# Altium PCB Board_Design.PcbDoc (part 1 of 3) (continued)
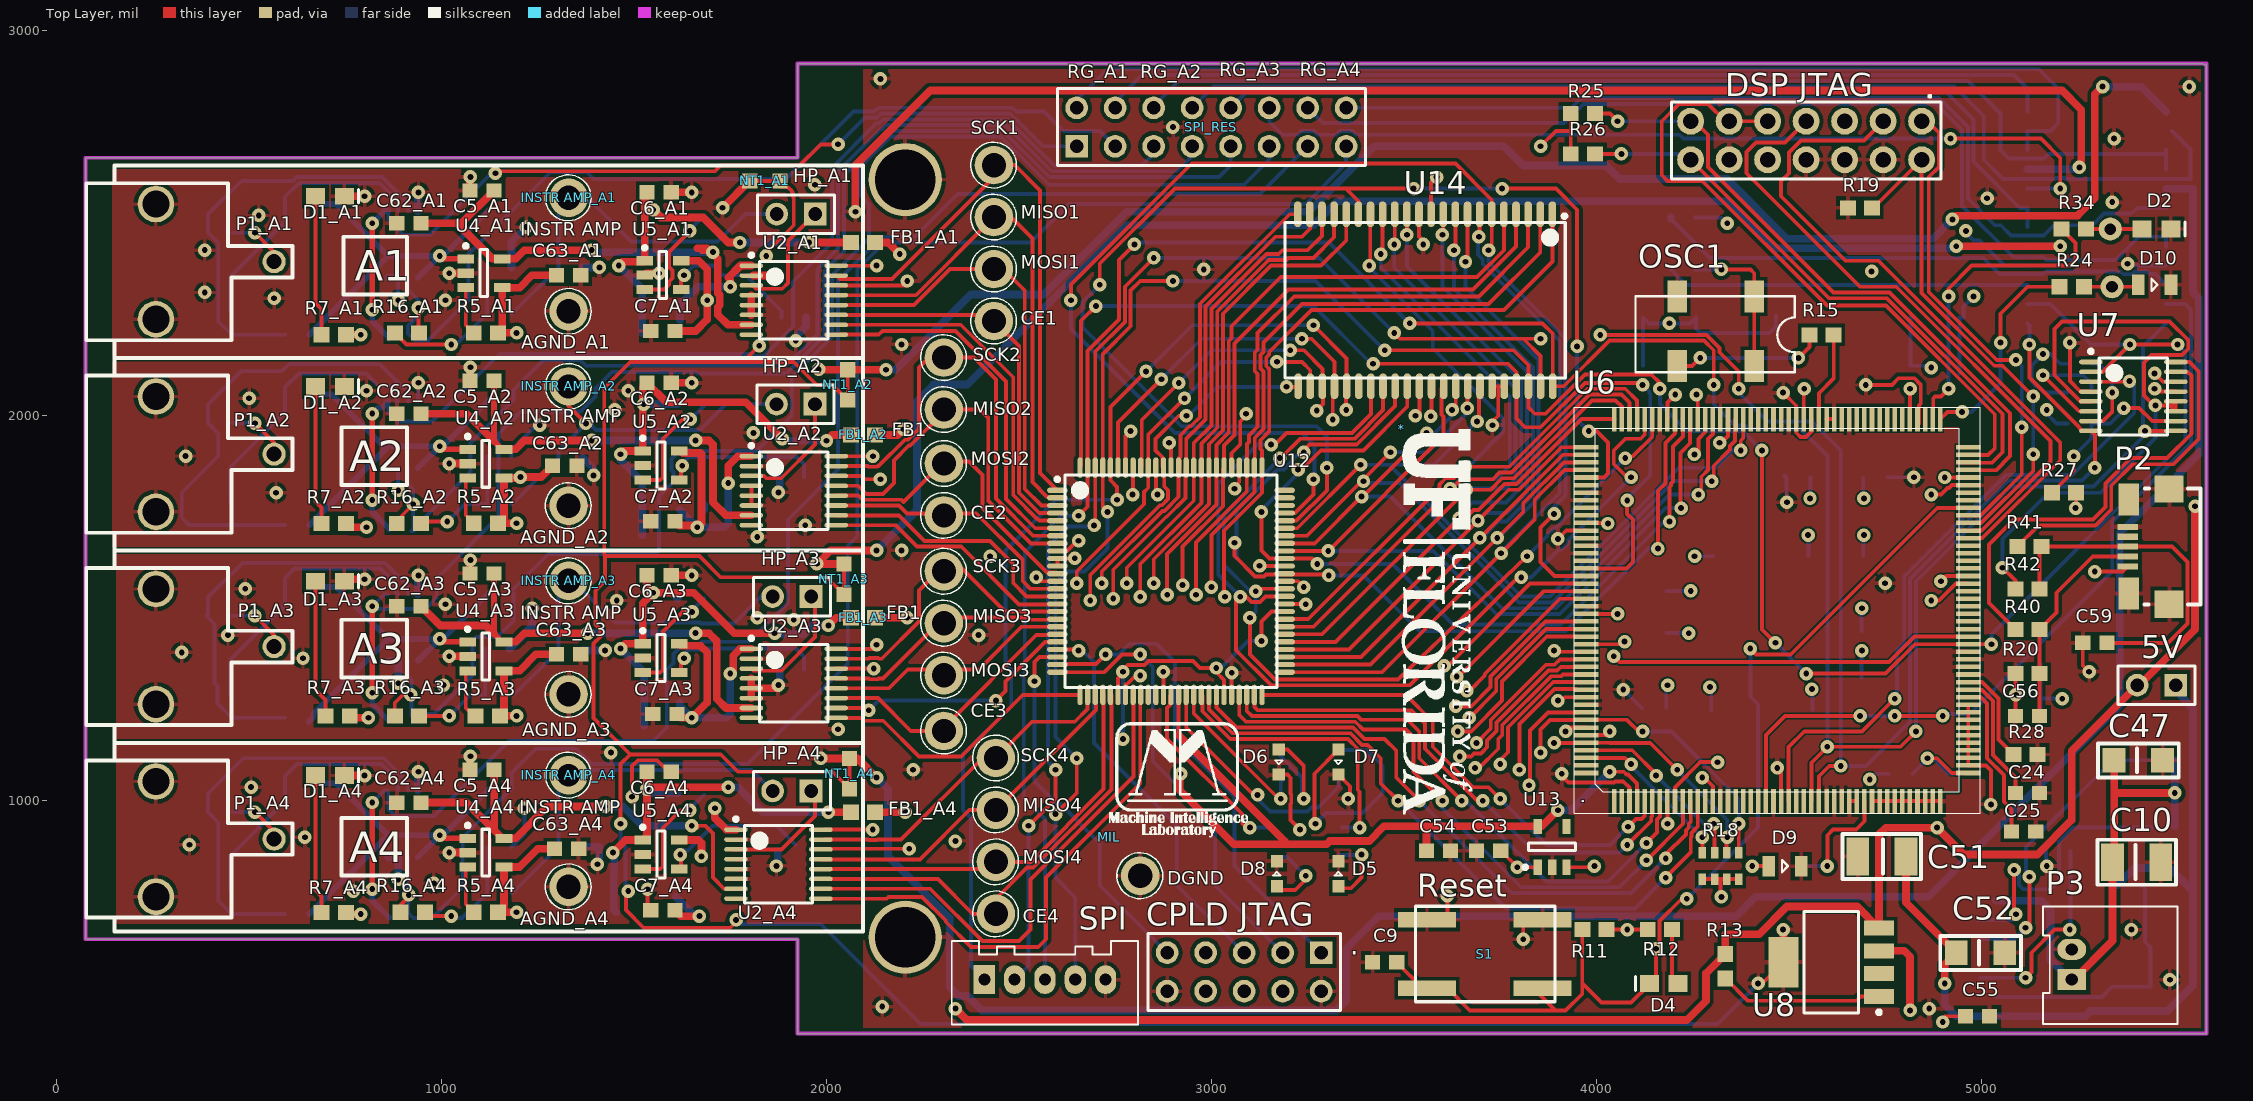
[diagram p0: Top Layer view]
## Components (designator, comment, footprint, x,y, rotation, side; value= is the part's Value field where it differs from the comment) (continued)
C62_A1 "Cap" CAPC0603 915,2500 r180 top (schematic designator C62)
C62_A2 "Cap" CAPC0603 915,2005 r180 top (schematic designator C62)
C62_A3 "Cap" CAPC0603 915,1505 r180 top (schematic designator C62)
C62_A4 "Cap" CAPC0603 915,995 r180 top (schematic designator C62)
C63_A1 "Cap" CAPC0603 1330,2365 r0 top (schematic designator C63)
C63_A2 "Cap" CAPC0603 1320,1870 r0 top (schematic designator C63)
C63_A3 "Cap" CAPC0603 1330,1380 r0 top (schematic designator C63)
C63_A4 "Cap" CAPC0603 1325,875 r0 top (schematic designator C63)
CE1 "Test_Point" TP#1 2435,2245 r90 top
CE2 "Test_Point" TP#1 2305,1740 r90 top
CE3 "Test_Point" TP#1 2305,1180 r90 top
CE4 "Test_Point" TP#1 2440,705 r90 top
"CPLD JTAG" "Header 5X2" HDR2X5 3285,605 r180 top
D1_A1 "LED-RED" LED0805-RED 710,2570.21 r180 top (schematic designator D1)
D1_A2 "LED-RED" LED0805-RED 710,2075.73 r180 top (schematic designator D1)
D1_A3 "LED-RED" LED0805-RED 710,1570.21 r180 top (schematic designator D1)
D1_A4 "LED-RED" LED0805-RED 710,1065.21 r180 top (schematic designator D1)
D2 "LED-RED" LED0805-RED 5455,2485 r180 top
D4 "LED-RED" LED0805-RED 4175,525.21 r0 top
D5 "LED" LED0603 3330,810 r90 top
D6 "LED" LED0603 3175,1100 r270 top
D7 "LED" LED0603 3330,1100 r270 top
D8 "LED" LED0603 3170,810 r90 top
D9 "LED" LED0805 4490,830 r0 top
D10 "LED" LED0805 5450,2340 r0 top
DGND "Test_Point" TP#1 2815,804.02 r90 top (schematic designator CE4)
DNP_A1 "Res" RES0603 895,2200.21 r0 bottom (schematic designator DNP)
DNP_A2 "Res" RES0603 895,1705.73 r0 bottom (schematic designator DNP)
DNP_A3 "Res" RES0603 890,1220.21 r0 bottom (schematic designator DNP)
DNP_A4 "Res" RES0603 895,695.21 r0 bottom (schematic designator DNP)
"DSP JTAG" "JTAG HEADER" "JTAG HEADER - 14" 4845,2765 r180 top
FB1_A1 "FBead" RES0603 2095,2450 r180 top (schematic designator FB1)
FB1_A2 "FBead" RES0603 2095,1950 r180 top (schematic designator FB1)
FB1_A3 "FBead" RES0603 2095,1475 r180 top (schematic designator FB1)
FB1_A4 "FBead" RES0603 2095,970 r180 top (schematic designator FB1)
HP_A1 "Header 2" HDR1X2 1970.73,2523.9 r180 top (schematic designator HP)
HP_A2 "Header 2" HDR1X2 1970,2030.21 r180 top (schematic designator HP)
HP_A3 "Header 2" HDR1X2 1960,1530.21 r180 top (schematic designator HP)
HP_A4 "Header 2" HDR1X2 1960,1025.21 r180 top (schematic designator HP)
"INSTR AMP_A1" "Test_Point" TP#1 1330,2565.21 r90 top (schematic designator "INSTR AMP")
"INSTR AMP_A2" "Test_Point" TP#1 1330,2075.21 r90 top (schematic designator "INSTR AMP")
"INSTR AMP_A3" "Test_Point" TP#1 1330,1570.21 r90 top (schematic designator "INSTR AMP")
"INSTR AMP_A4" "Test_Point" TP#2 1330,1065.21 r90 top (schematic designator "INSTR AMP")
MIL "MIL LOGO" "MIL LOGO - 500" 2735,905 r0 top
MISO1 "Test_Point" TP#1 2435,2515 r90 top
MISO2 "Test_Point" TP#1 2305,2015 r90 top
MISO3 "Test_Point" TP#1 2305,1460 r90 top
MISO4 "Test_Point" TP#1 2440,975 r90 top
MOSI1 "Test_Point" TP#1 2435,2380 r90 top
MOSI2 "Test_Point" TP#1 2305,1875 r90 top
MOSI3 "Test_Point" TP#1 2305,1325 r90 top
MOSI4 "Test_Point" TP#1 2440,840 r90 top
NT1_A1 "NetTie" NT_5MIL 1840,2610 r0 top net-tie (schematic designator NT1)
NT1_A2 "NetTie" NT_5MIL 2055,2080.21 r270 top net-tie (schematic designator NT1)
NT1_A3 "NetTie" NT_5MIL 2045,1575.21 r270 top net-tie (schematic designator NT1)
NT1_A4 "NetTie" NT_5MIL 2060,1070.21 r270 top net-tie (schematic designator NT1)
OSC1 "Epson Oscillator" Oscillator 4410,2310 r180 top
P1_A1 "BNC" "BNC CONNECTOR" 565,2400.21 r0 top (schematic designator P1)
P1_A2 "BNC" "BNC CONNECTOR" 565,1900.21 r0 top (schematic designator P1)
P1_A3 "BNC" "BNC CONNECTOR" 565,1400.21 r0 top (schematic designator P1)
P1_A4 "BNC" "BNC CONNECTOR" 565,900.21 r0 top (schematic designator P1)
P2 "USB Micro" 10118192-0001LF 5360,1660 r90 top
P3 "2-pin Horz Sherlock" MOLEX-HDR-1X2-SHERLOCK-HORZ 5235,535 r270 top
R1_A1 "Res" RES0603 625,2550.21 r180 bottom (schematic designator R1)
R1_A2 "Res" RES0603 625,2055.73 r180 bottom (schematic designator R1)
R1_A3 "Res" RES0603 625,1545.21 r180 bottom (schematic designator R1)
R1_A4 "Res" RES0603 625,1045.21 r180 bottom (schematic designator R1)
R2_A1 "Res" RES0603 625,2210.21 r0 bottom (schematic designator R2)
R2_A2 "Res" RES0603 625,1715.73 r0 bottom (schematic designator R2)
R2_A3 "Res" RES0603 630,1215.21 r0 bottom (schematic designator R2)
R2_A4 "Res" RES0603 625,705.21 r0 bottom (schematic designator R2)
R3_A1 "Res" RES0603 1335,2385.21 r180 bottom (schematic designator R3)
R3_A2 "Res" RES0603 1335,1890.73 r180 bottom (schematic designator R3)
R3_A3 "Res" RES0603 1335,1390.21 r180 bottom (schematic designator R3)
R3_A4 "Res" RES0603 1335,880.21 r180 bottom (schematic designator R3)
R4_A1 "Res" RES0603 1155,2535.21 r0 bottom (schematic designator R4)
R4_A2 "Res" RES0603 1155,2040.73 r0 bottom (schematic designator R4)
R4_A3 "Res" RES0603 1145,1540 r0 bottom (schematic designator R4)
R4_A4 "Res" RES0603 1150,1030 r0 bottom (schematic designator R4)
R5_A1 "Res" RES0603 1115,2215.21 r0 top (schematic designator R5)
R5_A2 "Res" RES0603 1115,1720.73 r0 top (schematic designator R5)
R5_A3 "Res" RES0603 1120,1220.21 r0 top (schematic designator R5)
R5_A4 "Res" RES0603 1115,710.21 r0 top (schematic designator R5)
R6 "Res" RES0603 4225,2380 r0 bottom
R7_A1 "Res" RES0603 720,2210.21 r180 top (schematic designator R7)
R7_A2 "Res" RES0603 720,1720.21 r180 top (schematic designator R7)
R7_A3 "Res" RES0603 730,1220.21 r180 top (schematic designator R7)
R7_A4 "Res" RES0603 720,709.7 r180 top (schematic designator R7)
R8_A1 "Res" RES0603 1650,2525 r180 bottom (schematic designator R8)
R8_A2 "Res" RES0603 1645,2030.21 r180 bottom (schematic designator R8)
R8_A3 "Res" RES0603 1645,1525.21 r180 bottom (schematic designator R8)
R8_A4 "Res" RES0603 1645,1019.7 r180 bottom (schematic designator R8)
R9 "Res" RES0603 4225,2515 r180 bottom
R10 "Res" RES0603 5470.98,1105 r180 bottom
R11 "Res" RES0603 3995,665.21 r180 top
R12 "Res" RES0603 4165,665.21 r0 top
R13 "Res" RES0603 4335,570 r270 top
R14 "Res" RES0603 4490,830 r180 bottom
R15 "Res" RES0603 4585,2210 r0 top
R16_A1 "Res" RES0603 910,2215 r0 top (schematic designator R16)
R16_A2 "Res" RES0603 915,1720 r180 top (schematic designator R16)
R16_A3 "Res" RES0603 910,1220 r180 top (schematic designator R16)
R16_A4 "Res" RES0603 925,710 r180 top (schematic designator R16)
R17 "Res" RES0603 5475,930 r180 bottom
R18 "Res Pack 4" SO-8 4370,865 r180 top
R19 "Res" RES0603 4685,2540 r0 top
R20 "Res" RES0603 5120,1330 r180 top
R21 "Res" RES0603 5310,1105 r180 bottom
R22 "Res" RES0603 5340,485 r90 bottom
R23 "Res" RES0603 5470,620 r0 bottom
R24 "Res" RES0603 5235,2335 r180 top
R25 "Res" RES0603 3965,2785 r0 top
R26 "Res" RES0603 3965,2680 r0 top
R27 "Res" RES0603 5215,1800 r180 top
R28 "Res" RES0603 5115,1120 r0 top
R34 "Res" RES0603 5240,2485 r180 top
R35 "Res" RES0603 3330,890 r270 bottom
R36 "Res" RES0603 3175,1095 r90 bottom
R37 "Res" RES0603 3330,1100 r90 bottom
R38 "Res" RES0603 3170,885 r90 bottom
R40 "Res" RES0603 5120,1445 r0 top
R41 "Res" RES0603 5125,1660 r0 top
R42 "Res" RES0603 5120,1550 r0 top
R43 "Res" RES0603 5255,1980 r0 bottom
R44 "Res" RES0603 5255,2135 r0 bottom
R45 "Res" RES0603 5255,2060 r0 bottom
S1 "PBSW" PBSW 3810,690.21 r180 top
SCK1 "Test_Point" TP#1 2435,2650 r90 top
SCK2 "Test_Point" TP#1 2305,2150 r90 top
SCK3 "Test_Point" TP#1 2305,1595 r90 top
SCK4 "Test_Point" TP#1 2440,1110 r90 top
SPI "MOLEX-HDR-1x5-SHERLOCK_VERT" MOLEX-HDR-1X5-SHERLOCK-VERT 2410,535 r180 top
SPI_RES "Header 8X2" HDR2X8 2650,2700 r0 top
U1_A1 "Inst. Amp" TSSOP-8n 900,2445.21 r270 bottom (schematic designator U1)
U1_A2 "Inst. Amp" TSSOP-8n 900,1950.21 r270 bottom (schematic designator U1)
U1_A3 "Inst. Amp" TSSOP-8n 900,1449.7 r270 bottom (schematic designator U1)
U1_A4 "Inst. Amp" TSSOP-8n 900,939.7 r270 bottom (schematic designator U1)
U2_A1 "ADC 16bit 500k" TSSOP-16pin 1915,2300.21 r0 top (schematic designator U2)
U2_A2 "ADC 16bit 500k" TSSOP-16pin 1915,1805.21 r0 top (schematic designator U2)
U2_A3 "ADC 16bit 500k" TSSOP-16pin 1915,1304.7 r0 top (schematic designator U2)
U2_A4 "ADC 16bit 500k" TSSOP-16pin 1875,835 r0 top (schematic designator U2)
U3 "AD8403" SOIC-24n 5300,2515 r180 bottom
U4_A1 "REF2041" SOT23-5 1110,2370.21 r0 top (schematic designator U4)
U4_A2 "REF2041" SOT23-5 1115,1875.21 r0 top (schematic designator U4)
U4_A3 "REF2041" SOT23-5 1115,1374.7 r0 top (schematic designator U4)
U4_A4 "REF2041" SOT23-5 1115,864.7 r0 top (schematic designator U4)
U5_A1 "LDO 4.2V" SOT23-5 1575,2365.21 r0 top (schematic designator U5)
U5_A2 "LDO 4.2V" sot23-5 1570,1870.73 r0 top (schematic designator U5)
U5_A3 "LDO 4.2V" sot23-5 1570,1370.21 r0 top (schematic designator U5)
U5_A4 "LDO 4.2V" sot23-5 1570,860.21 r0 top (schematic designator U5)
U6 "TMS320F28335GF" QFP176 4470,1495 r90 top
U7 "FT121T-R" TSSOP-16pin 5395,2050 r0 top
U8 "3.3V LDO REG" SOT223-8N 4610,580.21 r180 top
U9 "LMZ14201h" TO-PMOD-7 4710,590 r270 bottom
U12 "CPLD" TQFP-100 2895,1570 r0 top
U13 "1.8V LDO" SOT23-5n 3885,880 r90 top
U14 "4MB SRAM" TSOP-44 3555,2300 r270 top

## Footprints (in the part's own frame and the unit in brackets; to place one, negate y for a bottom-side part, rotate by r counter-clockwise, add the part's x,y. Pads: shape width x height; smd on the part's side, far side on the other; paste and mask are expansions set on the pad)
10118192-0001LF [mm] "USB Micro-B Recepticle"
  rect 0.4x1.35 smd: 1(-1.3,-0.533) 2(-0.65,-0.533) 3(0,-0.533) 4(0.65,-0.533) 5(1.3,-0.533)
  rect 1.8x1.9 smd: SHD(-3.8,-3.248) SHD(3.8,-3.248)
  rect 2.1x1.35 smd: SHD(-3.1,-0.584) SHD(3.1,-0.598)
  silkscreen extent -3.83,-5.33 3.83,-1.63, body extent -3.96,-5.98 3.96,-0.32, height 3.09
"BNC CONNECTOR" [mm] "For WM5524-ND"
  round 1.524 hole 1: 1(0,0)
  round 2.413 hole 1.8: 2(-7.8,-3.8) 3(-7.8,3.8)
  silkscreen extent -12.4,-5.18 1.22,5.18
CAP1206 [mm]
  rect 1.5x1.6 smd: 1(0,0) 2(-3.2,0)
  silkscreen extent -4.27,-1.1 1.06,1.13, body extent -3.2,-0.9 0.02,0.9, height 1.6
CAP1210 [mm]
  rect 1.5x2.5 smd: 1(-0.02,0) 2(-3.2,0)
  silkscreen extent -4.2,-1.48 0.97,1.48, body extent -3.22,-1.25 0,1.26, height 2.5
CAPC0603 [mm] "Chip Capacitor, 2-Leads, Body 1.60x0.80mm, IPC Medium Density"
  rect 1x0.95 smd: 1(-0.8,0) 2(0.8,0)
  body extent -0.88,-0.48 0.87,0.48, height 0.8
HDR1X2 [mm] "Connector; Header; 2 Position"
  rect 1.5x1.5 hole 0.9: 1(0,0)
  round 1.5 hole 0.9: 2(2.54,0)
  silkscreen extent -1.27,-1.27 3.81,1.27
HDR2X5 [mm] "Connector; Header; 5x2 Position"
  rect 1.5x1.5 hole 0.9: 1(0,0)
  round 1.5 hole 0.9: 2(0,2.54) 3(2.54,0) 4(2.54,2.54) 5(5.08,0) 6(5.08,2.54) 7(7.62,0) 8(7.62,2.54) 9(10.16,0) 10(10.16,2.54)
  silkscreen extent -1.27,-1.27 11.43,3.81
HDR2X8 [mm] "Connector; Header; 8x2 Position"
  rect 1.5x1.5 hole 0.9: 1(0,0)
  round 1.5 hole 0.9: 2(0,2.54) 3(2.54,0) 4(2.54,2.54) 5(5.08,0) 6(5.08,2.54) 7(7.62,0) 8(7.62,2.54) 9(10.16,0) 10(10.16,2.54) 11(12.7,0) 12(12.7,2.54) 13(15.24,0) 14(15.24,2.54) 15(17.78,0) 16(17.78,2.54)
  silkscreen extent -1.27,-1.27 19.05,3.81
"JTAG HEADER - 14" [mil]
  round 70 hole 40: 1(0,0) 2(0,100) 3(100,0) 4(100,100) 5(200,0) 6(200,100) 7(300,0) 8(300,100) 9(400,0) 10(400,100) 11(500,0) 12(500,100) 13(600,0) 14(600,100)
  silkscreen extent -50,-66 650,150, body extent -50,-50 650,150, height 234
LED0603 [mm] "Chip LED, 2-Leads, Body 1.60x0.80mm, IPC Medium Density"
  rect 0.8x0.8 smd: A(-0.825,0) C(0.825,0)
  silkscreen extent -0.13,-0.25 0.12,0.25, body extent -0.88,-0.48 0.87,0.47, height 0.8
LED0805 [mm] "Chip LED, 2-Leads, Body 2.00x1.25mm, IPC Medium Density"
  rect 0.85x1.35 smd: A(-1.075,0) C(1.075,0)
  silkscreen extent -0.2,-0.4 0.2,0.4, body extent -1,-0.63 1,0.63, height 0.75
LED0805-RED [mm] "Molded Diode, 2-Leads, Body 2.0x1.3mm, IPC Medium Density"
  rect 1.25x1.1 smd: 1(-0.95,0) 2(0.95,0)
  silkscreen extent -1.88,-0.45 -1.88,0.45, body extent -1.01,-0.62 1.01,0.63, height 1.1
"MIL LOGO - 500" [mil]
  silkscreen extent 0,0 359,299
MOLEX-HDR-1X2-SHERLOCK-HORZ [mm]
  rect 1.397x1.905 hole 0.8: 1(0,0)
  oval 1.397x1.905 hole 0.8: 2(-2,0)
  silkscreen extent -4.83,-1.91 2.92,6.98, body extent -4.83,-1.91 2.87,8.59, height 5.54
MOLEX-HDR-1X5-SHERLOCK-VERT [mm]
  rect 1.397x1.905 hole 0.8: 1(0,0)
  oval 1.397x1.905 hole 0.8: 2(-2,0) 3(-4,0) 4(-6,0) 5(-8,0)
  silkscreen extent -10.15,-2.55 2.15,2.95, body extent -10.16,-2.57 2.14,2.98, height 8.5
NT_5MIL [mm] "Thin Net Tie"
  rect 1x1 smd paste+0 mask+0: 1(-1,0) 2(1,0)
  Top Layer lines w0.254: -1,0 1,0
Oscillator [mm]
  rect 1.3x2.1 smd: 1(0,0) 2(5.08,0) 3(5.08,4.6) 4(0,4.6)
  silkscreen extent -2.67,0 7.83,5
PBSW [mil]
  rect 150x40 smd: 1(-50,0) 2(249.85,0) 3(249.85,177.17) 4(-50,177.17)
  silkscreen extent -83,-35 280,213, body extent -79,-30 276,207, height 197
QFP176 [mil]
  rect 63x11.8 smd: 1(-496.1,423.2) 2(-496.1,403.5) 3(-496.1,383.9) 4(-496.1,364.2) 5(-496.1,344.5) 6(-496.1,324.8) 7(-496.1,305.1) 8(-496.1,285.4) 9(-496.1,265.7) 10(-496.1,246.1) 11(-496.1,226.4) 12(-496.1,206.7) 13(-496.1,187) 14(-496.1,167.3) 15(-496.1,147.6) 16(-496.1,128) 17(-496.1,108.3) 18(-496.1,88.6) 19(-496.1,68.9) 20(-496.1,49.2) 21(-496.1,29.5) 22(-496.1,9.8) 23(-496.1,-9.8) 24(-496.1,-29.5) 25(-496.1,-49.2) 26(-496.1,-68.9) 27(-496.1,-88.6) 28(-496.1,-108.3) 29(-496.1,-128) 30(-496.1,-147.6) 31(-496.1,-167.3) 32(-496.1,-187) 33(-496.1,-206.7) 34(-496.1,-226.4) 35(-496.1,-246.1) 36(-496.1,-265.7) 37(-496.1,-285.4) 38(-496.1,-305.1) 39(-496.1,-324.8) 40(-496.1,-344.5) 41(-496.1,-364.2) 42(-496.1,-383.9) 43(-496.1,-403.5) 44(-496.1,-423.2) 89(496.1,-423.2) 90(496.1,-403.5) 91(496.1,-383.9) 92(496.1,-364.2) 93(496.1,-344.5) 94(496.1,-324.8) 95(496.1,-305.1) 96(496.1,-285.4) 97(496.1,-265.7) 98(496.1,-246.1) 99(496.1,-226.4) 100(496.1,-206.7) 101(496.1,-187) 102(496.1,-167.3) 103(496.1,-147.6) 104(496.1,-128) 105(496.1,-108.3) 106(496.1,-88.6) 107(496.1,-68.9) 108(496.1,-49.2) 109(496.1,-29.5) 110(496.1,-9.8) 111(496.1,9.8) 112(496.1,29.5) 113(496.1,49.2) 114(496.1,68.9) 115(496.1,88.6) 116(496.1,108.3) 117(496.1,128) 118(496.1,147.6) 119(496.1,167.3) 120(496.1,187) 121(496.1,206.7) 122(496.1,226.4) 123(496.1,246.1) 124(496.1,265.7) 125(496.1,285.4) 126(496.1,305.1) 127(496.1,324.8) 128(496.1,344.5) 129(496.1,364.2) 130(496.1,383.9) 131(496.1,403.5) 132(496.1,423.2)
  rect 11.8x63 smd: 45(-423.2,-496.1) 46(-403.5,-496.1) 47(-383.9,-496.1) 48(-364.2,-496.1) 49(-344.5,-496.1) 50(-324.8,-496.1) 51(-305.1,-496.1) 52(-285.4,-496.1) 53(-265.7,-496.1) 54(-246.1,-496.1) 55(-226.4,-496.1) 56(-206.7,-496.1) 57(-187,-496.1) 58(-167.3,-496.1) 59(-147.6,-496.1) 60(-128,-496.1) 61(-108.3,-496.1) 62(-88.6,-496.1) 63(-68.9,-496.1) 64(-49.2,-496.1) 65(-29.5,-496.1) 66(-9.8,-496.1) 67(9.8,-496.1) 68(29.5,-496.1) 69(49.2,-496.1) 70(68.9,-496.1) 71(88.6,-496.1) 72(108.3,-496.1) 73(128,-496.1) 74(147.6,-496.1) 75(167.3,-496.1) 76(187,-496.1) 77(206.7,-496.1) 78(226.4,-496.1) 79(246.1,-496.1) 80(265.7,-496.1) 81(285.4,-496.1) 82(305.1,-496.1) 83(324.8,-496.1) 84(344.5,-496.1) 85(364.2,-496.1) 86(383.9,-496.1) 87(403.5,-496.1) 88(423.2,-496.1) 133(423.2,496.1) 134(403.5,496.1) 135(383.9,496.1) 136(364.2,496.1) 137(344.5,496.1) 138(324.8,496.1) 139(305.1,496.1) 140(285.4,496.1) 141(265.7,496.1) 142(246.1,496.1) 143(226.4,496.1) 144(206.7,496.1) 145(187,496.1) 146(167.3,496.1) 147(147.6,496.1) 148(128,496.1) 149(108.3,496.1) 150(88.6,496.1) 151(68.9,496.1) 152(49.2,496.1) 153(29.5,496.1) 154(9.8,496.1) 155(-9.8,496.1) 156(-29.5,496.1) 157(-49.2,496.1) 158(-68.9,496.1) 159(-88.6,496.1) 160(-108.3,496.1) 161(-128,496.1) 162(-147.6,496.1) 163(-167.3,496.1) 164(-187,496.1) 165(-206.7,496.1) 166(-226.4,496.1) 167(-246.1,496.1) 168(-265.7,496.1) 169(-285.4,496.1) 170(-305.1,496.1) 171(-324.8,496.1) 172(-344.5,496.1) 173(-364.2,496.1) 174(-383.9,496.1) 175(-403.5,496.1) 176(-423.2,496.1)
  silkscreen extent -528,-528 528,528
RES0603 [mm] "Chip Resistor, 2-Leads, Body 1.60x0.80mm, IPC Medium Density"
  rect 1.05x1 smd: 1(-0.8,0) 2(0.8,0)
  body extent -0.88,-0.48 0.87,0.47, height 0.8
SO-8 [mm]
  rect 0.5x0.75 smd: 1(0,0) 2(0.8,0) 3(1.6,0) 4(2.4,0) 5(2.4,1.75) 6(1.6,1.75) 7(0.8,1.75) 8(0,1.75)
SOIC-24n [mm]
  oval 2.3x0.6 smd: 1(-4.575,6.985) 2(-4.575,5.715) 3(-4.575,4.445) 4(-4.575,3.175) 5(-4.575,1.905) 6(-4.575,0.635) 7(-4.575,-0.635) 8(-4.575,-1.905) 9(-4.575,-3.175) 10(-4.575,-4.445) 11(-4.575,-5.715) 12(-4.575,-6.985) 13(4.575,-6.985) 14(4.575,-5.715) 15(4.575,-4.445) 16(4.575,-3.175) 17(4.575,-1.905) 18(4.575,-0.635) 19(4.575,0.635) 20(4.575,1.905) 21(4.575,3.175) 22(4.575,4.445) 23(4.575,5.715) 24(4.575,6.985)
  silkscreen extent -4.7,-7.8 3.8,7.96, body extent -3.8,-7.8 3.8,7.8, height 1.2
SOT23-5 [mm] "Used for LP2992"
  rect 1.1x0.6 smd: 1(-1.2,0.95) 2(-1.2,0) 3(-1.2,-0.95) 4(1.2,-0.95) 5(1.2,0.95)
  silkscreen extent -1.32,-1.55 0.25,1.92, body extent -0.87,-1.52 0.87,1.53, height 0.25
sot23-5 [mm] "Used for LP2992"
  rect 1.1x0.6 smd: 1(-1.2,0.95) 2(-1.2,0) 3(-1.2,-0.95) 4(1.2,-0.95) 5(1.2,0.95)
  silkscreen extent -1.32,-1.55 0.25,1.92, body extent -0.87,-1.52 0.87,1.53, height 0.25
SOT23-5n [mm] "For LP5907"
  rect 1x0.55 smd: 1(-1.35,0.95) 2(-1.35,0) 3(-1.35,-0.95) 4(1.35,-0.95) 5(1.35,0.95)
  silkscreen extent -1.47,-1.55 0.25,1.9, body extent -0.87,-1.52 0.87,1.53, height 1.45
SOT223-8N [mm] "3.3V LDO"
  rect 2x1 smd: 1(-3.15,2.25) 2(-3.15,0.75) 3(-3.15,-0.75) 4(-3.15,-2.25)
  rect 2x3.3 smd: 5(3.15,0)
  silkscreen extent -3.27,-3.35 1.8,3.42, body extent -1.85,-3.35 1.85,3.35, height 1.8
TO-PMOD-7 [mm] "For LMZ14201h"
  rect 0.89x3.06 smd: 1(-3.81,-7.305) 2(-2.54,-7.305) 3(-1.27,-7.305) 4(0,-7.305) 5(1.27,-7.305) 6(2.54,-7.305) 7(3.81,-7.305)
  rect 5.35x8.54 smd: 8(0,0)
  body extent -4.83,-5.74 4.9,4.41, height 5
TP#1 [mm]
  round 2.54 hole 1.6: 1(0.025,0)
  silkscreen extent -1.49,-1.49 1.54,1.53, body extent -1.59,-1.59 1.59,1.59, height 5.58
TP#2 [mm]
  round 2.54 hole 1.5: 1(0.025,0)
  silkscreen extent -1.49,-1.49 1.54,1.53, body extent -1.59,-1.59 1.59,1.59, height 5.58
TQFP-100 [mm] "Used For Altera Max II CPLD"
  oval 1.35x0.35 smd: 1(-7.5,6) 2(-7.5,5.5) 3(-7.5,5) 4(-7.5,4.5) 5(-7.5,4) 6(-7.5,3.5) 7(-7.5,3) 8(-7.5,2.5) 9(-7.5,2) 10(-7.5,1.5) 11(-7.5,1) 12(-7.5,0.5) 13(-7.5,0) 14(-7.5,-0.5) 15(-7.5,-1) 16(-7.5,-1.5) 17(-7.5,-2) 18(-7.5,-2.5) 19(-7.5,-3) 20(-7.5,-3.5) 21(-7.5,-4) 22(-7.5,-4.5) 23(-7.5,-5) 24(-7.5,-5.5) 25(-7.5,-6) 51(7.5,-6) 52(7.5,-5.5) 53(7.5,-5) 54(7.5,-4.5) 55(7.5,-4) 56(7.5,-3.5) 57(7.5,-3) 58(7.5,-2.5) 59(7.5,-2) 60(7.5,-1.5) 61(7.5,-1) 62(7.5,-0.5) 63(7.5,0) 64(7.5,0.5) 65(7.5,1) 66(7.5,1.5) 67(7.5,2) 68(7.5,2.5) 69(7.5,3) 70(7.5,3.5) 71(7.5,4) 72(7.5,4.5) 73(7.5,5) 74(7.5,5.5) 75(7.5,6)
  oval 0.35x1.35 smd: 26(-6,-7.5) 27(-5.5,-7.5) 28(-5,-7.5) 29(-4.5,-7.5) 30(-4,-7.5) 31(-3.5,-7.5) 32(-3,-7.5) 33(-2.5,-7.5) 34(-2,-7.5) 35(-1.5,-7.5) 36(-1,-7.5) 37(-0.5,-7.5) 38(0,-7.5) 39(0.5,-7.5) 40(1,-7.5) 41(1.5,-7.5) 42(2,-7.5) 43(2.5,-7.5) 44(3,-7.5) 45(3.5,-7.5) 46(4,-7.5) 47(4.5,-7.5) 48(5,-7.5) 49(5.5,-7.5) 50(6,-7.5) 76(6,7.5) 77(5.5,7.5) 78(5,7.5) 79(4.5,7.5) 80(4,7.5) 81(3.5,7.5) 82(3,7.5) 83(2.5,7.5) 84(2,7.5) 85(1.5,7.5) 86(1,7.5) 87(0.5,7.5) 88(0,7.5) 89(-0.5,7.5) 90(-1,7.5) 91(-1.5,7.5) 92(-2,7.5) 93(-2.5,7.5) 94(-3,7.5) 95(-3.5,7.5) 96(-4,7.5) 97(-4.5,7.5) 98(-5,7.5) 99(-5.5,7.5) 100(-6,7.5)
  silkscreen extent -7.62,-7 7,7, body extent -7,-7 7,7, height 1.2
TSOP-44 [mm] "For Cypress 4MB SRAM"
  oval 1.7x0.5 smd: 1(-5.677,8.4) 2(-5.677,7.6) 3(-5.677,6.8) 4(-5.677,6) 5(-5.677,5.2) 6(-5.677,4.4) 7(-5.677,3.6) 8(-5.677,2.8) 9(-5.677,2) 10(-5.677,1.2) 11(-5.677,0.4) 12(-5.677,-0.4) 13(-5.677,-1.2) 14(-5.677,-2) 15(-5.677,-2.8) 16(-5.677,-3.6) 17(-5.677,-4.4) 18(-5.677,-5.2) 19(-5.677,-6) 20(-5.677,-6.8) 21(-5.677,-7.6) 22(-5.677,-8.4) 23(5.677,-8.375) 24(5.677,-7.575) 25(5.677,-6.775) 26(5.677,-5.975) 27(5.677,-5.175) 28(5.677,-4.375) 29(5.677,-3.575) 30(5.677,-2.775) 31(5.677,-1.975) 32(5.677,-1.175) 33(5.677,-0.375) 34(5.677,0.425) 35(5.677,1.225) 36(5.677,2.025) 37(5.677,2.825) 38(5.677,3.625) 39(5.677,4.425) 40(5.677,5.225) 41(5.677,6.025) 42(5.677,6.825) 43(5.677,7.625) 44(5.677,8.425)
  silkscreen extent -5.67,-9.25 5.13,9.33, body extent -5.3,-9.25 5.3,9.25, height 1.2
TSSOP-8n [mm]
  oval 1.45x0.45 smd: 1(-2.2,0.975) 2(-2.2,0.325) 3(-2.2,-0.325) 4(-2.2,-0.975) 5(2.2,-0.975) 6(2.2,-0.325) 7(2.2,0.325) 8(2.2,0.975)
  silkscreen extent -2.32,-1.55 1.55,1.87, body extent -1.55,-1.55 1.55,1.55, height 1.1
TSSOP-16pin [mm] "For 296-19764-ND"
  oval 1.55x0.3 smd: 1(-2.8,2.275) 2(-2.8,1.625) 3(-2.8,0.975) 4(-2.8,0.325) 5(-2.8,-0.325) 6(-2.8,-0.975) 7(-2.8,-1.625) 8(-2.8,-2.275) 9(2.8,-2.275) 10(2.8,-1.625) 11(2.8,-0.975) 12(2.8,-0.325) 13(2.8,0.325) 14(2.8,0.975) 15(2.8,1.625) 16(2.8,2.275)
  silkscreen extent -2.92,-2.55 2.25,3.1, body extent -2.25,-2.55 2.25,2.55, height 1.2
"UF LOGO-1000" [mil]
  silkscreen extent 0,0 1000,183

## Part data
5V HP_A1 HP_A2 HP_A3 HP_A4: "Header, 2-Pin"
AGND_A1 AGND_A2 AGND_A3 AGND_A4 CE1 CE2 CE3 CE4 DGND "INSTR AMP_A1" "INSTR AMP_A2" "INSTR AMP_A3" "INSTR AMP_A4" MISO1 MISO2 MISO3 MISO4 MOSI1 MOSI2 MOSI3 MOSI4 SCK1 SCK2 SCK3 SCK4: "TEST POINT PC COMPACT .063\"D"
C10 C51: "CAP CER 10UF 50V 20% X5R 1210"
C24 C25 C47 C52 C55 C56 C59: "CAP CER 1UF 50V 10% X7R 1206"
"CPLD JTAG": "Header, 5-Pin, Dual row"
D1_A1 D1_A2 D1_A3 D1_A4 D2 D4: "Light Emitting Diode - RED"
"DSP JTAG": library part JTAG-TI_14, "14 Pin JTAG Header"
FB1_A1 FB1_A2 FB1_A3 FB1_A4: "Ferrite Bead"
NT1_A1 NT1_A2 NT1_A3 NT1_A4: "Ties two nets together"
OSC1: library part Oscillator, "15Mhz Epson Clock"
P1_A1 P1_A2 P1_A3 P1_A4: library part "BNC Connector", "CONN BNC JACK R/A 50 OHM PCB"
P2: "USB Mini B Metal Shield SMT"
P3: library part MOLEX-HDR-1x2-SHERLOCK_RA, "Header, Molex, 2mm Pitch Sherlock Header, Single Row, Horizontal, 2 Circuits, Length 3.3mm,  0353630260"
R18: "4 Isolated Resistor Network"
S1: library part SW-PB, "Push Button Switch"
SPI: "Header, Molex, 2mm Pitch Sherlock Header, Single Row, Vertical, 5 Circuits, Length 3.3mm, 0353620550"
SPI_RES: "Header, 8-Pin, Dual row"
U1_A1 U1_A2 U1_A3 U1_A4: library part INA331, "IC OPAMP INSTR 2MHZ RRO 8VSSOP"
U2_A1 U2_A2 U2_A3 U2_A4: "IC ADC 16BIT 500KSPS 16-TSSOP"
U3: "IC POT DGTL 8BIT 100K 4CH 24SOIC"
U4_A1 U4_A2 U4_A3 U4_A4: "IC VREF SERIES 2.05V/4.096V 5SOT"
U5_A1 U5_A2 U5_A3 U5_A4: library part "LDO 4.2V 200mA", "IC REG LDO 4.2V 0.2A 5SOT"
U6: library part TMS320F283XXPGF_23, "Texas Instruments F28335"
U7: "IC USB CONTROLLER SPI 16-TSSOP"
U8: library part LP38691, "IC REG LDO 3.3V 0.5A SOT223-5"
U9: "IC BUCK SYNC ADJ 1A TO-PMOD-7"
U12: library part EPM240GT100I5N, "IC CPLD 192MC 4.7NS 100TQFP"
U13: library part LP5907, "IC REG LDO 1.8V 0.25A SOT23-5"
U14: library part CY7C1041CV33-8ZSXI, "IC SRAM 4MBIT 8NS 44TSOP"

## Free pads (board coordinates)
  round 190 hole 157.48: 0(2204.72,645) 0(2204.72,2613.5)
  round 60 hole 30: 1(5335,2485) 2(5339.55,2335)

## Via types
v1: diameter 35, hole 15, Top Layer to Bottom Layer, tented both sides, 501 vias
v2: diameter 35, hole 15, Top Layer to Bottom Layer, tented top, 1 vias

## Nets (pads, with @x,y where several pads share a name; then routed paths per layer and width w, separated by ;. In a path a pad name is that pad's centre, name@x,y a point inside that pad or via, vN(x,y) a via of type N, cw(c..) or ccw(c..) an arc to the next point about the centre after c; other vN are vias at no path point)
1: 
1.8VD: C11.1 C12.1 C13.1 C14.1 C15.1 C16.1 C17.1 C18.1 C19.1 C20.1 C21.1 C22.1 C54.1 U6.4 U6.15 U6.23 U6.29 U6.31 U6.59 U6.61 U6.101 U6.109 U6.117 U6.126 U6.139 U6.146 U6.154 U6.167 U12.13 U12.39 U12.63 U12.88 U13.5 | length 4470.6
  Top Layer w10: v1(2545,1580) 2555,1570 U12.13@2599.72,1570 ; v1(2890,1930) 2895,1925 U12.88@2895,1865.28 ; 2914.68,1170.32 U12.39@2914.68,1274.72 ; U12.63@3190.28,1570 3225,1570 v1(3240,1555) ; 4055,1075 4071.11,1075 4078.61,1067.5 4082.5,1067.5 4105.8,1044.2 U6.4@4105.8,998.9 ; v1(4320,1930) 4325,1930 4342,1947 U6.117@4342,1991.1 ; v1(4470,1085) 4479.8,1075.2 U6.23@4479.8,998.9
  Top Layer w20: 2914.68,1170.32 3190,895 ; v1@2917.5,1067.5 2917.5,1027.5 3058.28,886.72 3299.25,886.72 3307.53,895 3410,895 3448.15,933.15 3560,933.15 ; C54.1@3558.5,870 3558.5,931.65 3560,933.15 ; v1(3900,975) 3858.15,933.15 U13.5@3847.6,933.15 3560,933.15
  Power w20: v1(2890,1930) 2887.5,1927.5 2772.5,1927.5 2545,1700 v1(2545,1580) ; v1@2920,1065 2545,1440 v1(2545,1580) ; v1(3240,1555) 3150,1555 3127.5,1577.5 3032.5,1577.5 3010,1600 2660.96,1600 2658.46,1597.5 2631.54,1597.5 2629.04,1600 2565,1600 v1(2545,1580)
  Bottom Layer w10: v1@4070,1290 v1(4070,1288.72) C20.1@4118.5,1240.21 ; C12.1@4488.5,1844.79 C12.1@4493.5,1839.79 4493.5,1776.5 v1(4495,1775) ; C11.1@4756.5,1840.21 4824.79,1840.21 v1(4825,1840)
  Bottom Layer w20: v1(3900,975) 3935,975 v1(4035,1075)
  other v1: 2920,1070 4750,1565
2.048V_A1: R1_A1.1 R2_A1.2 R4_A1.1 U1_A1.5 U4_A1.1 | length 1013.5
  Top Layer w15: v1(995,2415.21) 1002.6,2407.62 U4_A1.1@1062.76,2407.62
  Bottom Layer w15: R2_A1.2@656.5,2210.21 861.5,2415.21 ; R1_A1.1@656.5,2550.21 726.5,2550.21 861.5,2415.21 ; U1_A1.5@938.39,2358.6 v1(995,2415.21) ; R4_A1.1@1123.5,2535.21 1003.5,2415.21 v1(995,2415.21) ; 861.5,2415.21 v1(995,2415.21)
2.048V_A2: R1_A2.1 R2_A2.2 R4_A2.1 U1_A2.5 U4_A2.1 | length 1013.5
  Top Layer w15: v1(995,1920.73) 1002.6,1913.13 U4_A2.1@1062.76,1913.13
  Bottom Layer w15: R2_A2.2@656.5,1715.73 861.5,1920.73 ; R1_A2.1@656.5,2055.73 714.27,2055.73 849.27,1920.73 861.5,1920.73 ; U1_A2.5@938.39,1864.11 v1(995,1920.73) ; R4_A2.1@1123.5,2040.73 1003.5,1920.73 v1(995,1920.73) ; 861.5,1920.73 v1(995,1920.73)
2.048V_A3: R1_A3.1 R2_A3.2 R4_A3.1 U1_A3.5 U4_A3.1 | length 1024.1
  Top Layer w15: v1(995,1420.21) 1002.6,1412.62 U4_A3.1@1062.76,1412.62
  Bottom Layer w15: R2_A3.2@655,1205.21 666.5,1216.71 666.5,1225.21 861.5,1420.21 ; R1_A3.1@656.5,1555.21 726.5,1555.21 861.5,1420.21 ; U1_A3.5@938.39,1363.6 v1(995,1420.21) ; R4_A3.1@1123.5,1540.21 1003.5,1420.21 v1(995,1420.21) ; 861.5,1420.21 v1(995,1420.21)
2.048V_A4: R1_A4.1 R2_A4.2 R4_A4.1 U1_A4.5 U4_A4.1 | length 1013.5
  Top Layer w15: v1(995,910.21) 1002.6,902.62 U4_A4.1@1062.76,902.62
  Bottom Layer w15: R2_A4.2@656.5,705.21 861.5,910.21 ; R1_A4.1@656.5,1045.21 726.5,1045.21 861.5,910.21 ; U1_A4.5@938.39,853.6 v1(995,910.21) ; R4_A4.1@1123.5,1030.21 1003.5,910.21 v1(995,910.21) ; 861.5,910.21 v1(995,910.21)
3: 
3.3VD: "CPLD JTAG.4" "DSP JTAG.5" C29.1 C30.1 C31.1 C32.1 C33.1 C34.1 C35.1 C36.1 C37.1 C38.1 C39.1 C40.1 C53.1 C55.1 OSC1.1 OSC1.4 R6.2 R9.1 R11.1 R12.1 R14.1 R18.5 R18.6 R18.7 R18.8 R25.1 R26.1 R44.1 R45.1 U2_A1.16 U2_A2.16 U2_A3.16 U2_A4.16 U3.16 U6.9 U6.34 U6.45 U6.71 U6.84 U6.93 U6.107 U6.121 U6.143 U6.159 U6.170 U8.3 U12.9 U12.31 U12.45 U12.59 U12.80 U12.94 U13.1 U13.3 U14.11 U14.33 | length 6427.4
  Top Layer w10: U2_A4.16@1995.47,925 v1(2120,925) ; U2_A3.16@2025.24,1394.27 v1@2124.05,1394.27 ; U2_A2.16@2025.24,1894.78 v1(2120.43,1894.78) ; U2_A1.16@2025.24,2389.78 v1@2129.57,2389.78 ; U12.9@2599.72,1648.74 2624.85,1648.74 2651.11,1675 v1(2655,1675) ; U12.31@2757.2,1274.72 2757.2,1317.8 2770,1330.59 v1(2770,1335) v1@2765,1335 ; v1@2760,1330 v1@2765,1335 ; U12.94@2776.89,1865.28 2776.89,1946.89 v1(2790,1960) ; U12.45@3032.8,1274.72 3032.8,1313.31 3012.48,1333.63 v1(3012.48,1344.59) 2970.41,1344.59 2952.5,1362.5 2836.39,1362.5 2826.39,1352.5 2782.5,1352.5 v1@2765,1335 ; U12.80@3052.48,1865.28 3052.48,1902.48 3075,1925 3075,1985 3090,2000 v1(3090,2005) ; v1(3130,1415) 3130,1465 3156.26,1491.26 U12.59@3190.28,1491.26 ; v1@3540.25,2000 U14.33@3540.25,2076.5 ; U14.11@3570.75,2523.5 3570.75,2605.75 v1(3585,2620) ; C53.1@3751.5,870 v1(3794.65,826.85) U13.1@3847.6,826.85 ; v1(3855,2700) 3895,2740 3933.5,2740 ; v1(3920,1180) 3929.9,1189.9 U6.170@3973.9,1189.9 ; U13.3@3922.4,826.85 3991.85,826.85 v1(3995,830) ; R26.1@3933.5,2680 3933.5,2740 ; R25.1@3933.5,2785 3933.5,2740 ; U6.159@3973.9,1406.4 4066.4,1406.4 v1(4073.2,1413.2) ; U6.143@3973.9,1721.4 v1@4033.6,1721.4 ; R11.1@4026.5,665.21 v1(4080,665.21) R12.1@4133.5,665.21 ; U6.9@4204.3,998.9 4204.3,1034.3 4270,1100 v1(4315,1100) ; U6.121@4263.3,1991.1 v1@4263.3,2056.7 ; R18.5@4275.51,796.1 R18.6@4307.01,796.1 4322.76,796.1 ; v1@4322.76,752.24 4322.76,796.1 ; v1(4325,2380) 4400,2380 4410,2370 OSC1.1@4410,2310 OSC1.4@4410,2128.9 ; R18.8@4370,796.1 R18.7@4338.5,796.1 4322.76,796.1 ; U6.107@4538.9,1991.1 v1@4538.9,2068.9 ; v1(4600,830) 4600,910 4615,925 4675,925 4696.4,946.4 U6.34@4696.4,998.9 ; U6.93@4814.5,1991.1 4814.5,2069.5 v1(4815,2070) ; v1(4860,1110) 4885,1110 4923.2,1071.8 U6.45@4966.1,1071.8 ; v1(4895,1570) 4908.6,1583.6 U6.71@4966.1,1583.6 ; v1(4900,425) 4890,425 4905,440 C55.1@4958.5,440 ; v1@4900.5,1839.5 U6.84@4966.1,1839.5
  Top Layer w20: U8.3@4734.02,609.74 4799.53,609.74 4815,594.27 v1(4815,455)
  Ground w10: v1@2425.44,1634.56 2465.88,1675 v1(2655,1675)
  Bottom Layer w10: v1(2770,1160) v1(2770,1335) ; v1(3012.48,1344.59) 3024.59,1344.59 3095,1415 v1(3130,1415) ; C36.1@4121.5,2130 C37.1@4121.5,2255 4136.5,2240 4243.29,2240 C35.1@4258.5,2255.21 4258.5,2226.5 4270,2215 4450,2215 4466.5,2231.5 C34.1@4466.5,2260 ; R6.2@4256.5,2380 v1(4325,2380) ; R9.1@4256.5,2515 4322.5,2515 4337.5,2500 v1(4340,2500) ; R14.1@4521.5,830 v1(4600,830) ; C33.1@4816.5,2255 C31.1@4816.5,2129.79 4865.21,2129.79 v1(4870,2125) ; C40.1@4821.5,1070 4861.5,1110 4875,1110 4915,1070 C39.1@4953.5,1070 ; C30.1@4943.5,2110 C30.1@4943.5,2125 ; C30.1@4943.5,2129.79 C32.1@4943.5,2255 ; C32.1@4953.5,2255 4953.5,2283.5 v1(4980,2310) ; v1(4960,2480) 4960,2475 4980,2455 4995,2455 5060,2390 U3.16@5119.88,2390 ; C29.1@5153.5,1220 C38.1@5153.5,1355 ; 5153.5,1265 v1(5210,1265) ; R45.1@5223.5,2060 5163.89,2060 5146.39,2077.5 5142.5,2077.5 5130,2090 5130,2130 v1(5160,2160) 5180,2160 5205,2135 R44.1@5223.5,2135
  other v1: 4325,750 2130,1405 2425,1635 4030,1720 4905,1839.5 3530,2000 4260,2055 4540,2070 4189.89,2240 2130,2390.21
4.2V_A1: C1_A1.2 C7_A1.2 C63_A1.1 R5_A1.2 R7_A1.1 U1_A1.7 U1_A1.8 U2_A1.1 U4_A1.4 U5_A1.5 | length 1039.8
  Top Layer w20: R7_A1.1@751.5,2210.21 v1(790,2210.21) ; v1(1195,2215.21) R5_A1.2@1146.5,2215.21 1157.24,2225.96 U4_A1.4@1157.24,2332.81 1202.6,2332.81 1234.79,2365 C63_A1.1@1298.5,2365 ; C7_A1.2@1606.5,2220.21 1660,2220.21 1690,2250.21 v1(1690,2300.21) 1690,2380.21 1667.6,2402.62 U5_A1.5@1622.24,2402.62 ; v1(1750,2335) 1750,2353.6 1745,2358.6 1776.62,2390.21 1804.33,2390.21 U2_A1.1@1804.76,2389.78
  Bottom Layer w10: v1(887.2,2300.21) U1_A1.7@887.2,2358.6
  Bottom Layer w20: U1_A1.8@861.61,2358.6 U1_A1.7@887.2,2358.6 ; C1_A1.2@1620,2250.21 C1_A1.2@1618.5,2250.21 1618.5,2288.5 1665,2335 v1(1750,2335)